# KiCad board helios-panel.kicad_pcb (continued)
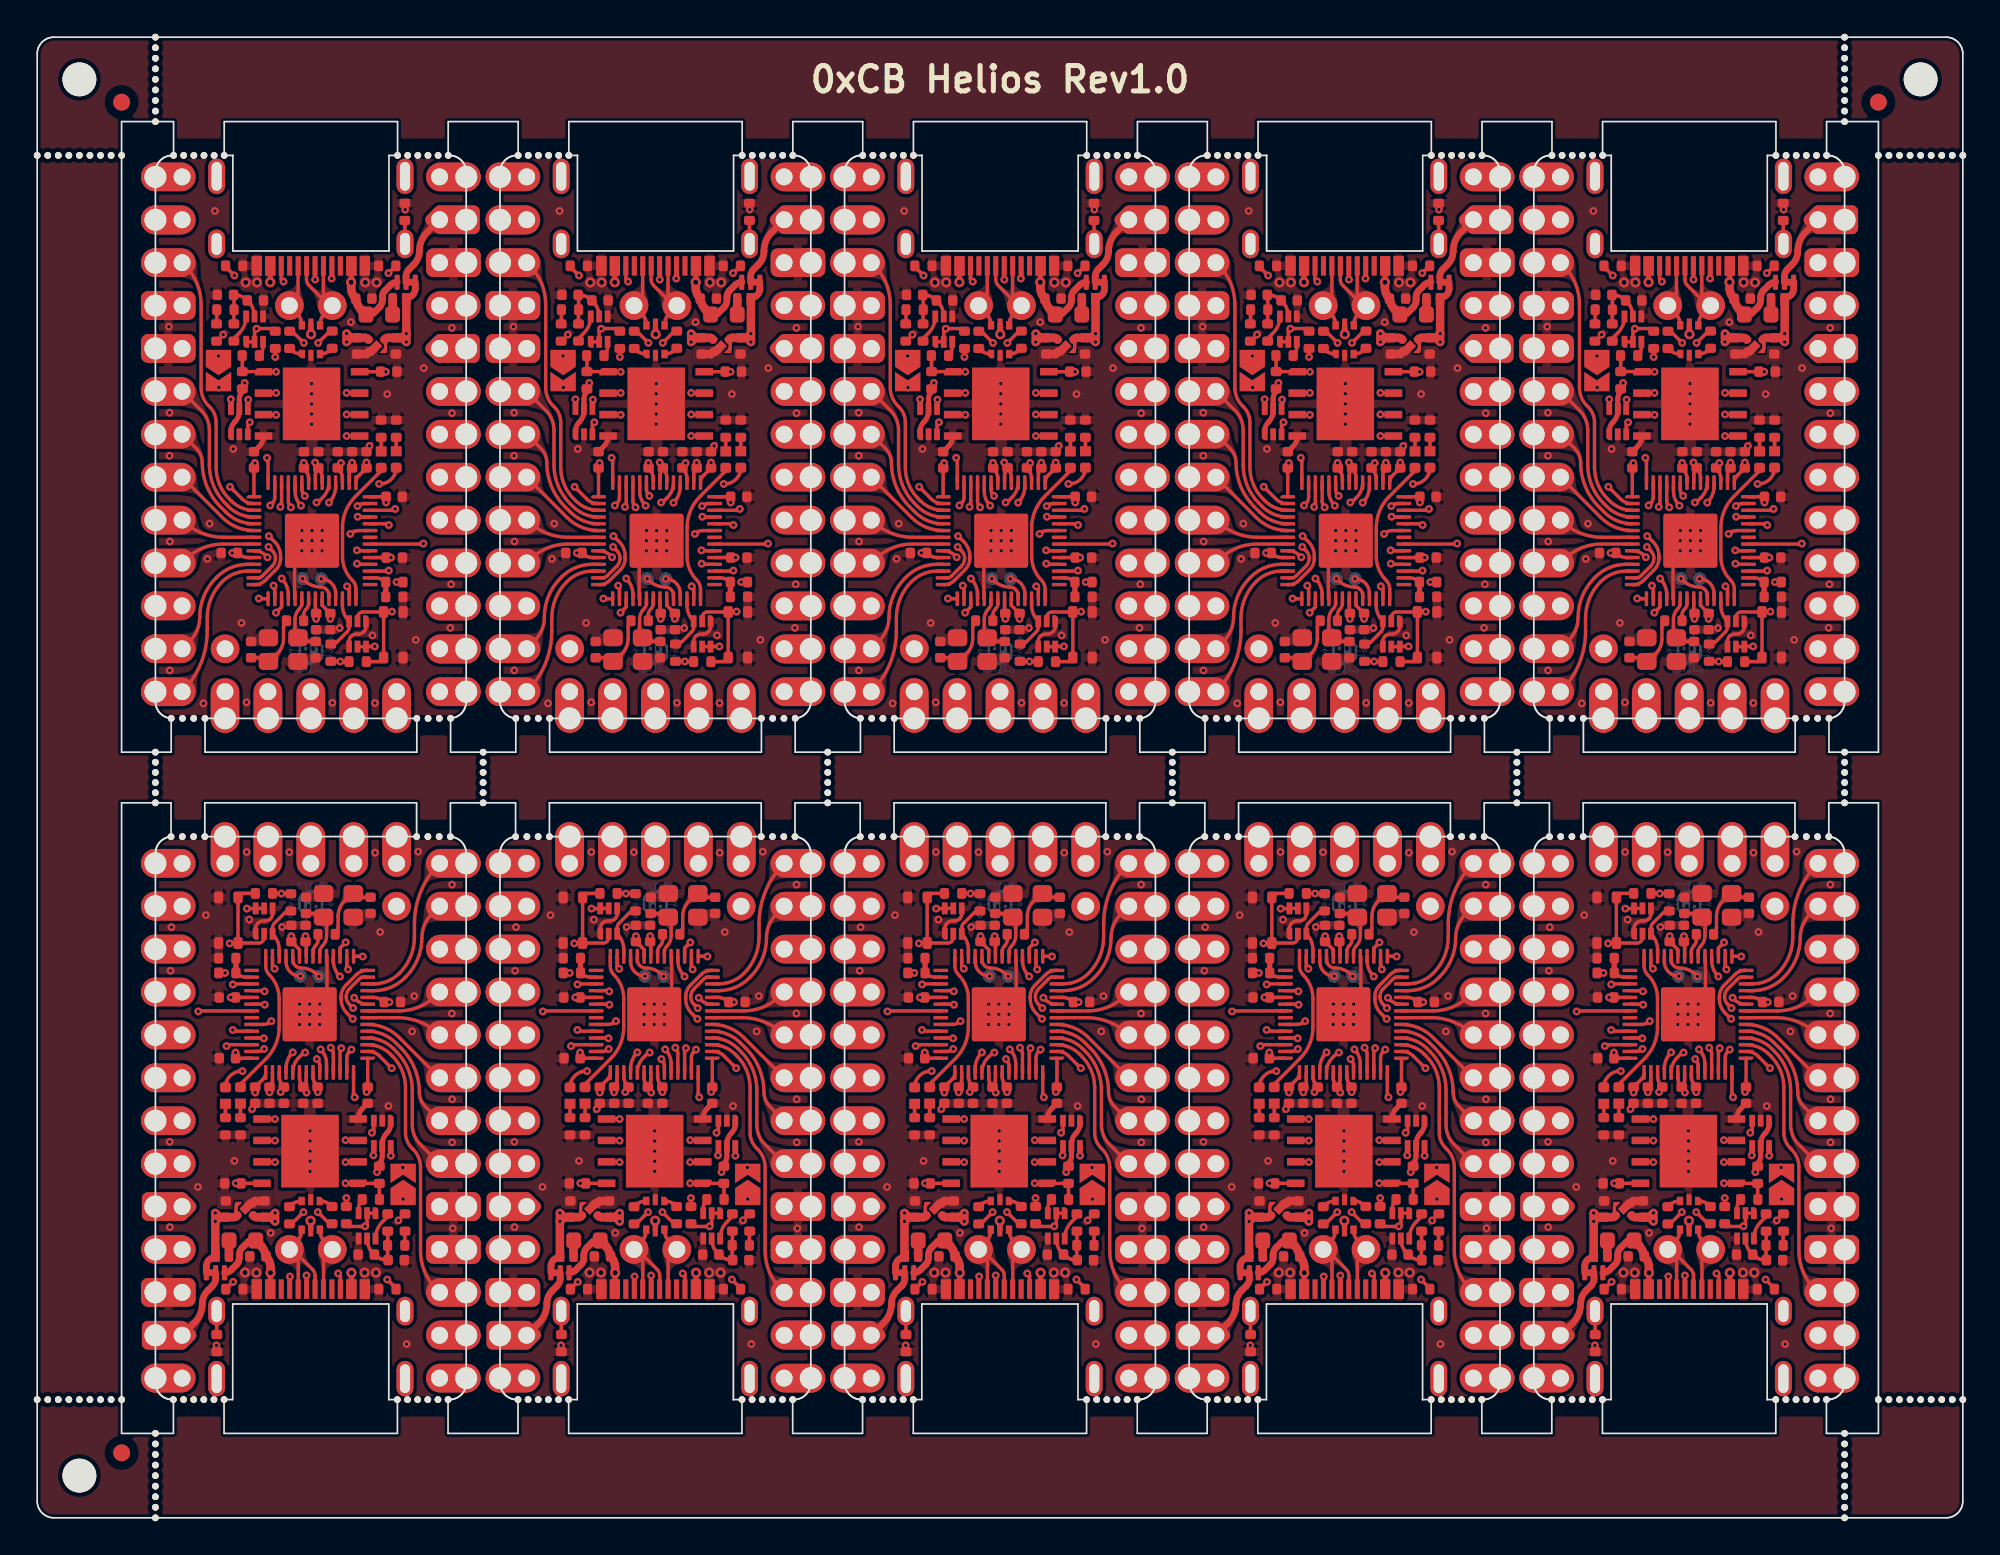
[diagram p0: board, top side]
## Routing (per net, layer and track width the routed paths; a pad name or vN(x,y) marks a point on that pad's centre or on a via; arc(x,y) is an arc through that point) (continued)
Board_3-Net-(D1-K): length 0.8
  Top w0.2: D1#6.1 R10#6.1
Board_3-Net-(D2-K): length 0.8
  Top w0.2: D2#9.1 R15.1
Board_3-Net-(D3-A): length 0.9
  Top w0.5: D3#8.2 82.25,71.24 F1#9.2
Board_3-Net-(J1-CC1): length 4.8
  Top w0.2: v1(78.64,73.37) 78.64,73.38 78.64,74.12 ; v1(82,73.69) 82,73.69 R7#4.2
  In1.Cu w0.2: v1(82,73.69) 81.98,73.67 79.37,73.67 arc(78.97,73.6) v1(78.64,73.37)
Board_3-Net-(J1-CC2): length 4.9
  Top w0.2: 72.36,74.12 72.36,74.07 v1(72.88,73.55) ; v1(75.78,73.19) 75.64,73.33 75.64,74.12
  In1.Cu w0.2: v1(72.88,73.55) 72.91,73.59 arc(73.01,73.65) 73.12,73.67 75.18,73.67 arc(75.29,73.65) 75.39,73.59 v1(75.78,73.19)
Board_3-Net-(J1-SHIELD): length 1.4
  Top w0.2: 82.97,75.42 82.97,76.8 FB1#4.1
Board_3-Net-(Q1A-D): length 26.6
  Top w0.2: Q2#7.1 Q2#7.2 74.07,70.28 v1(74.19,70.4) 74.19,70.41 75.14,70.41 R2#4.2 ; v1(81.19,51.59) 80.67,51.59 Q1#4.6 Q1#4.5
  In2.Cu w0.2: v1(81.19,51.59) 80.79,51.59 arc(78.84,51.98) 77.18,53.08 arc(76.45,54.18) 76.19,55.48 76.19,57.44 arc(76.07,58.02) 75.74,58.52 74.49,59.77 arc(73.84,60.74) 73.61,61.89 73.61,62.87 arc(73.7,63.34) 73.97,63.74 arc(74.19,64.07) 74.27,64.46 74.27,70.32 v1(74.19,70.4)
Board_3-Net-(Q2A-D): length 1.7
  Top w0.2: R4#4.1 72.84,69.82 73.16,70.13 arc(73.46,70.59) Q2#7.6
Board_3-Net-(Q2B-G): length 3.7
  Top w0.2: R4#4.2 72.84,71.51 R5#10.1 72.86,72.37 C1#6.1 72.86,72.4 arc(73.28,72.32) C2#10.1 73.7,72.01 arc(73.97,71.61) Q2#7.5
Board_3-Net-(R5-Pad2): length 0.8
  Top w0.2: R6#9.1 71.83,70.7 R5#10.2
Board_3-Net-(U4-XTAL_IN): length 3.6
  Top w0.2: C7#8.2 76.86,51.88 Y1#8.3 76.61,52.13 arc(76.5,52.29) 76.47,52.48 76.47,53.19 arc(76.53,53.53) 76.72,53.82 arc(76.83,53.98) 76.87,54.17 U4#5.20
Board_3-Net-(U4-XTAL_OUT): length 1.4
  Top w0.2: R14#7.2 76.97,53.44 arc(77.01,53.63) 77.12,53.79 77.12,53.79 arc(77.23,53.96) 77.27,54.15 U4#5.21
Board_3-VBUS: length 32.1
  Top w0.2: v1(82.47,55.4) R16.1
  Top w0.3: v2(79.78,73.15) 79.8,73.16 79.8,74.12 ; v2(75,73.15) 75,74.12
  Top w0.4: F1#9.1 80.91,71.24 arc(81.02,71.26) 81.12,71.33 81.46,71.66 arc(81.59,71.86) 81.64,72.1 81.64,72.29 arc(81.67,72.48) 81.79,72.65 82.12,72.99 arc(82.3,73.11) JP2#5.3
  Top w0.5: v2(79.78,73.15) 79.78,72.83 arc(79.86,72.48) 80.06,72.18 80.08,72.16 80.08,72.15 arc(80.17,71.82) 80.37,71.54 F1#9.1
  In2.Cu w0.2: v1(82.47,55.4) arc(83,56.18) 83.18,57.1 83.18,64.96 arc(82.3,69.39) v2(79.78,73.15)
  In2.Cu w0.5: v2(75,73.15) arc(75.26,73.8) 75.91,74.07 78.87,74.07 arc(79.52,73.8) v2(79.78,73.15)
Board_4-+1V1: length 15.7
  Top w0.2: v1(97.39,62.46) 97.39,62.45 C17#10.1 arc(97.6,61.86) 97.67,61.5 U4#2.50 ; v1(99.58,62.45) 99.39,62.26 C10#3.2 arc(99.6,61.86) 99.67,61.5 U4#2.45 ; U4#2.23 98.47,54.02 98.95,53.54 C19#5.1 v1(98.95,53.22)
  In2.Cu w0.2: v1(97.39,62.46) 98.42,61.42 ; 98.42,61.42 99.07,60.77 arc(99.35,60.36) 99.44,59.87 99.44,54.4 arc(99.32,53.76) v1(98.95,53.22) ; 98.42,61.42 99.45,62.45 v1(99.58,62.45)
Board_4-+3V3: length 21.3
  Top w0.2: 101.28,56.85 C12#8.1 v1(102.55,56.85) ; 101.75,67.85 v1(102.25,67.85) 102.24,67.85 U3#10.8 ; v1(98.06,62.48) 98.25,62.29 C14#4.1 ; U4#2.1 94.43,62.16 C16#9.1 94.44,62.39 v1(94.5,62.45) ; v1(93.14,57.12) C15.1 arc(93.75,56.92) 94.11,56.85 U4#2.10 ; R2#6.1 v1(95.69,68.72) ; R3#3.1 99,50.7 v1(99.55,50.7) 99.56,50.69 R1#3.1 ; v1(101.09,62.48) C18#6.1 100.64,61.71 arc(100.52,61.52) U4#2.43 ; v1(100.25,62.47) C9#3.2 100.13,62.04 arc(100.09,61.98) 100.07,61.9 U4#2.44 ; v1(98.11,53.22) C11#2.1 98.07,53.58 U4#2.22 ; v1(93.89,67.19) 93.89,66.98 R11#5.1 ; 101.28,60.45 C13#9.1 v1(102.25,60.11) ; U4#2.48 98.47,61.62 arc(98.41,61.91) C14#4.1 ; U4#2.49 98.07,61.74 arc(98.12,61.97) C14#4.1
  Top w0.3: R11#5.1 93.75,66.66 93.69,66.61 arc(93.6,66.43) 93.57,66.24 U5#10.5 93.57,65.53 arc(93.5,65.18) 93.3,64.88 93.29,64.87 arc(93.13,64.63) 93.07,64.34 U5#10.1
  Top w0.5: 101.22,69.75 101.17,69.8 arc(101.1,69.84) 101.03,69.86 C5#8.1 100.17,69.86 ; 100.17,69.86 v1(99.92,70.11) v1(99.92,69.61) 100.17,69.86
  vias: v1(92.33,68.79)
Board_4-+5V: length 20.9
  Top w0.2: U2#10.3 102.17,69.1 arc(102.21,69.16) 102.22,69.24 102.22,69.53 arc(102.21,69.61) 102.17,69.67 U2#10.4
  Top w0.3: v2(97.81,70.07) 97.81,70.08 U1#4.5 ; v1(93.06,66.22) 93.07,66.22 U5#10.6
  Top w0.4: JP2#8.1 103.98,72.77 arc(103.83,72.4) 103.45,72.24
  Top w0.5: 103.2,69.86 v1(103.45,70.11) ; 103.2,69.86 v1(103.45,69.61) v1(103.45,70.11) ; 103.2,69.86 C4#10.1 102.34,69.86 arc(102.27,69.84) 102.2,69.8 102.15,69.75 ; v1(103.45,70.11) 103.45,72.24 103.44,72.23 103.44,72.16
  In1.Cu w0.3: v1(103.45,69.61) 103.16,69.32 arc(102.8,69.08) 102.37,68.99 100.2,68.99 arc(99.69,69.09) 99.25,69.38 98.83,69.8 arc(98.52,70.01) 98.15,70.08 97.83,70.08 v2(97.81,70.07) 97.8,70.08 96.59,70.08 arc(95.26,69.82) 94.13,69.06 arc(93.34,67.89) 93.06,66.5 v1(93.06,66.22)
Board_4-/0_TX0: length 18.4
  Top w0.2: U4#2.2 94.38,60.05 arc(94.03,60.12) 93.74,60.32 v1(93.02,61.04)
  In1.Cu w0.2: J2#5.2 90.18,76.28 arc(90.22,76.09) 90.33,75.93 90.36,75.89 arc(91.25,74.56) 91.56,72.98 91.56,63.75 arc(91.75,62.84) 92.26,62.07 92.82,61.51 arc(92.96,61.29) v1(93.02,61.04)
Board_4-/1_RX0: length 16.4
  Top w0.2: J2#5.3 90.36,74.13 arc(91.06,73.08) 91.31,71.85 91.31,66.89 arc(91.42,66.33) 91.74,65.85 91.82,65.76 arc(92.1,65.35) 92.19,64.86 92.19,62.19 arc(92.4,61.18) 92.97,60.33 93.09,60.21 arc(93.7,59.79) U4#2.3
Board_4-/2_SDA1: length 9.4
  Top w0.2: J2#5.6 91.32,65.55 arc(91.67,65.02) 91.8,64.4 91.8,62.33 arc(92.04,61.1) 92.74,60.06 92.92,59.88 arc(93.61,59.41) U4#2.4
Board_4-/3_SCL1: length 7.3
  Top w0.2: J2#5.7 91.02,63.31 arc(91.28,62.92) 91.38,62.45 arc(91.65,61.05) 92.45,59.86 92.77,59.54 arc(93.53,59.03) U4#2.5
Board_4-/4: length 5.4
  Top w0.2: J2#5.8 92.57,59.22 arc(93.42,58.65) U4#2.6
Board_4-/5: length 4.5
  Top w0.2: U4#2.7 92.64,58.05 arc(91.31,58.32) J2#5.9
Board_4-/6: length 4.6
  Top w0.2: U4#2.8 92.59,57.65 arc(91.4,57.41) 90.39,56.74 J2#5.10
Board_4-/7: length 6.9
  Top w0.2: U4#2.9 94.47,57.25 arc(94.83,57.18) 95.13,56.97 v1(95.23,56.87)
  In2.Cu w0.2: v1(95.23,56.87) 93.89,55.53 arc(92.19,54.39) J2#5.11
Board_4-/8: length 7.3
  Top w0.2: U4#2.11 94.05,56.45 arc(93.08,56.26) 92.25,55.71 92.18,55.64 arc(91.47,54.58) 91.22,53.32 arc(91.07,52.56) 90.64,51.91 J2#5.12
Board_4-/9: length 9.2
  Top w0.2: U4#2.12 94.07,56.05 arc(93.25,55.89) 92.56,55.42 arc(91.9,54.43) 91.67,53.27 91.67,52.5 arc(91.28,50.55) J2#5.13
Board_4-/10: length 26.5
  Top w0.2: v1(95.3,57.48) 95.53,57.24 arc(95.66,57.05) 95.71,56.82 arc(95.66,56.56) 95.51,56.34 94.94,55.77 arc(94.81,55.68) 94.66,55.65 U4#2.13
  In2.Cu w0.2: v1(95.3,57.48) 95.26,57.48 91.98,60.76 arc(91.57,61.38) 91.42,62.1 91.42,76.38 arc(91.1,78.01) J2#5.1
Board_4-/11: length 38
  Top w0.2: U4#2.14 94.52,55.25 arc(94.82,55.31) 95.08,55.48 95.73,56.13 arc(95.94,56.44) 96.01,56.8 96.01,56.93 arc(95.92,57.4) 95.65,57.79 95.33,58.12 v1(95.31,58.12)
  In1.Cu w0.2: v1(95.31,58.12) 95.31,58.31 arc(95.22,58.53) 95,58.62 arc(94.14,58.98) 93.79,59.84 93.79,60.07 arc(93.62,60.9) 93.15,61.6 92.49,62.26 arc(92.03,62.96) 91.86,63.78 91.86,72.27 arc(92.42,73.6) 93.75,74.15 103.03,74.15 arc(103.86,74.49) 104.2,75.33 104.2,76.46 arc(104.52,78.04) J2#5.31
Board_4-/12: length 6.6
  Top w0.2: v1(94.72,54.42) 94.73,54.41 U4#2.15
  In1.Cu w0.2: v1(94.72,54.42) 94.72,53.74 arc(94.2,51.13) J2#5.14
Board_4-/13: length 7.2
  Top w0.2: U4#2.16 95.67,55.11 v1(95.59,55.19)
  In1.Cu w0.2: J2#5.15 95.26,54.38 arc(95.35,54.82) v1(95.59,55.19)
Board_4-/14: length 6.2
  Top w0.2: v1(95.73,53.59) 96.07,53.92 U4#2.17
  In1.Cu w0.2: J2#5.16 97.58,49.13 arc(96.22,51.17) v1(95.73,53.59)
Board_4-/15: length 9.5
  Top w0.2: U4#2.18 96.47,54.66 arc(96.37,55.17) v1(96.08,55.61)
  In1.Cu w0.2: J2#5.17 97.8,51.45 arc(96.97,52.7) 96.67,54.16 arc(96.52,54.95) v1(96.08,55.61)
Board_4-/16: length 7.9
  Top w0.2: U4#2.27 100.07,55.02 v1(99.94,55.15)
  In1.Cu w0.2: J2#5.18 102.28,49.51 arc(100.55,52.1) v1(99.94,55.15)
Board_4-/20_SDI: length 4.9
  Top w0.2: v1(102.42,56.08) 102.39,56.05 U4#2.31
  In1.Cu w0.2: J2#5.21 103.98,55.43 arc(103.26,55.91) v1(102.42,56.08)
Board_4-/21_CS: length 10.1
  Top w0.2: v1(100.53,56.49) 100.58,56.45 U4#2.32
  In1.Cu w0.2: J2#5.19 102.52,51.81 arc(101.22,53.64) 100.59,55.78 100.59,56.44 v1(100.53,56.49)
Board_4-/22_SCK: length 5.9
  Top w0.2: U4#2.34 100.56,57.25 v1(100.53,57.28)
  In1.Cu w0.2: v1(100.53,57.28) 100.57,57.32 103.5,57.32 arc(104.54,57.12) J2#5.22
Board_4-/23_SDO: length 9.8
  Top w0.2: U4#2.35 104.44,57.65 v1(104.47,57.68)
  In2.Cu w0.2: v1(104.47,57.68) 104.33,57.55 104.33,53.83 arc(104.57,52.63) 105.25,51.62 J2#5.20
Board_4-/A0: length 4.2
  Top w0.2: U4#2.38 102.34,58.85 v1(102.42,58.77)
  In1.Cu w0.2: v1(102.42,58.77) 104.71,58.77 arc(105.09,58.85) J2#5.23
Board_4-/A1: length 6.5
  Top w0.2: v1(100.58,59.27) 100.59,59.25 U4#2.39
  In1.Cu w0.2: J2#5.24 103.32,59.51 arc(103.03,59.32) 102.69,59.25 100.6,59.25 v1(100.58,59.27)
Board_4-/A2: length 6.8
  Top w0.2: U4#2.40 102.72,59.65 v1(102.8,59.73)
  In1.Cu w0.2: J2#5.25 104.06,62.79 arc(103.12,61.39) v1(102.8,59.73)
Board_4-/A3: length 9.7
  Top w0.2: v1(100.56,59.9) 100.57,59.9 arc(100.73,60.01) 100.92,60.05 U4#2.41
  In1.Cu w0.2: J2#5.26 103.6,64.87 arc(102.91,63.83) 102.67,62.61 102.67,62.11 arc(102.5,61.26) 102.01,60.54 101.95,60.47 arc(101.31,60.05) v1(100.56,59.9)
Board_4-/BOOT: length 0.9
  Top w0.2: Q2#8.3 94.97,69.33 arc(94.91,69.05) R9#8.2
Board_4-/D+: length 12.7
  Top w0.2: v1(97.39,69.56) 96.69,70.25 R12#6.2 ; v1(98.14,60.11) 98.21,60.11 98.5,60.4 arc(98.77,60.81) U4#2.47
  In1.Cu w0.2: v1(97.39,69.56) 98.01,68.93 arc(98.49,68.21) 98.66,67.37 98.66,66.51 98.66,62.62 arc(98.62,62.43) 98.51,62.27 98.42,62.17 arc(98.31,62.01) 98.27,61.82 98.27,60.25 v1(98.14,60.11)
Board_4-/D-: length 12.7
  Top w0.2: v1(98.23,69.56) 98.94,70.26 R13.2 ; U4#2.46 99.27,61.07 arc(99.17,60.54) v1(98.87,60.1)
  In1.Cu w0.2: v1(98.23,69.56) 98.23,69.55 arc(98.27,69.36) 98.38,69.2 arc(98.92,68.39) 99.11,67.44 99.11,66.13 arc(99.14,66.06) 99.2,66.04 arc(99.26,66.01) 99.29,65.95 99.29,65.83 arc(99.26,65.76) 99.2,65.74 99.11,65.74 99.11,65.73 99.05,65.73 arc(99,65.71) 98.98,65.66 98.98,65.49 arc(99,65.44) 99.05,65.43 arc(99.09,65.41) 99.11,65.36 99.11,62.44 arc(99.07,62.25) 98.96,62.08 98.87,61.99 arc(98.76,61.83) 98.72,61.63 98.72,60.45 arc(98.76,60.26) 98.87,60.1 v1(98.87,60.1)
Board_4-/LED: length 8.8
  Top w0.2: D2#8.2 101.97,61.99 100.44,60.47 arc(99.87,59.62) 99.67,58.62 99.67,56.92 arc(99.83,56.15) 100.26,55.5 arc(100.42,55.27) 100.47,55 U4#2.28
Board_4-/PORT+: length 7.1
  Top w0.2: 98.05,74.12 98.05,73.32 v1(98.06,73.31) ; U1#4.6 97.27,70.62 arc(97.19,71) 96.97,71.33 J2#5.34 97.05,72.28 97.05,74.12
  In1.Cu w0.2: J2#5.34 96.69,71.77 98.06,73.13 v1(98.06,73.31)
Board_4-/PORT-: length 7.1
  Top w0.2: J2#5.33 98.64,71.34 arc(98.42,71.01) 98.34,70.63 U1#4.4 ; J2#5.33 98.55,72.29 98.55,74.12 ; J2#5.33 98.89,71.77 97.69,72.96 arc(97.58,73.13) 97.55,73.32 97.55,74.12
Board_4-/QSPI_CLK: length 11.3
  Top w0.2: U4#2.52 96.87,60.77 arc(96.96,60.31) v1(97.22,59.92) ; v1(99.92,65.32) 99.93,65.31 U3#10.6
  In2.Cu w0.2: v1(97.22,59.92) 97.22,60.02 arc(96.76,60.72) 96.59,61.53 96.59,62.81 arc(96.77,63.23) 97.19,63.4 99.89,63.4 arc(100.25,63.55) 100.39,63.9 100.39,64.18 arc(100.27,64.8) v1(99.92,65.32)
Board_4-/QSPI_CS: length 9.8
  Top w0.2: v1(95.2,62.76) 95.27,62.69 95.27,61.31 ; R9#8.1 93.75,68.8 R11#5.2 95,67.86 U3#10.1 95.74,67.85 v1(95.75,67.85)
  In2.Cu w0.2: v1(95.2,62.76) arc(95.03,63.02) 94.97,63.32 94.97,65.98 arc(95.17,66.99) v1(95.75,67.85)
Board_4-/QSPI_SD0: length 11.3
  Top w0.2: v1(96.62,59.82) 96.62,59.83 arc(96.51,59.99) 96.47,60.18 U4#2.53 ; v1(99.92,64.05) 99.92,64.04 U3#10.5
  In2.Cu w0.2: v1(96.62,59.82) 96.62,59.9 arc(96.38,60.26) 96.3,60.68 96.3,62.86 arc(96.54,63.45) 97.13,63.7 97.97,63.7 arc(98.07,63.74) 98.11,63.85 98.11,64.1 arc(98.16,64.21) 98.27,64.25 arc(98.37,64.21) 98.42,64.1 98.42,63.85 arc(98.46,63.74) 98.56,63.7 arc(98.67,63.74) 98.72,63.85 98.72,64.1 arc(98.76,64.21) 98.86,64.25 arc(98.97,64.21) 99.02,64.1 99.02,63.85 arc(99.06,63.74) 99.17,63.7 arc(99.54,63.77) 99.86,63.99 v1(99.92,64.05)
Board_4-/QSPI_SD1: length 11.4
  Top w0.2: v1(95.39,59.94) 95.52,60.06 arc(95.63,60.23) 95.67,60.42 U4#2.55 ; U3#10.2 95.73,66.58 v1(95.75,66.6)
  In2.Cu w0.2: v1(95.39,59.94) 95.56,60.1 arc(95.66,60.25) 95.69,60.42 arc(95.65,60.53) 95.55,60.57 95.44,60.57 arc(95.34,60.61) 95.3,60.72 arc(95.34,60.83) 95.44,60.87 95.55,60.87 arc(95.65,60.91) 95.69,61.02 arc(95.65,61.13) 95.55,61.17 95.44,61.17 arc(95.34,61.21) 95.3,61.32 arc(95.34,61.43) 95.44,61.47 95.55,61.47 arc(95.65,61.51) 95.69,61.62 arc(95.65,61.73) 95.55,61.77 95.44,61.77 arc(95.34,61.81) 95.3,61.92 arc(95.34,62.03) 95.44,62.07 95.55,62.07 arc(95.65,62.11) 95.69,62.22 95.69,62.78 arc(95.66,62.97) 95.55,63.13 95.42,63.26 arc(95.31,63.43) 95.27,63.62 95.27,63.96 arc(95.31,64.06) 95.42,64.11 95.52,64.11 arc(95.63,64.15) 95.67,64.26 arc(95.63,64.36) 95.52,64.41 95.42,64.41 arc(95.31,64.45) 95.27,64.56 95.27,65.46 arc(95.39,66.07) v1(95.75,66.6)
Board_4-/QSPI_SD2: length 11.3
  Top w0.2: v1(96,59.85) 96.07,59.92 U4#2.54 ; v1(95.75,65.3) 95.73,65.31 U3#10.3
  In2.Cu w0.2: v1(96,59.85) 96,63.85 arc(96.04,63.96) 96.14,64 96.84,64 arc(96.95,64.04) 97,64.15 arc(96.95,64.26) 96.84,64.3 96.14,64.3 arc(96.04,64.34) 96,64.45 arc(96.04,64.56) 96.14,64.6 96.84,64.6 arc(96.95,64.64) 97,64.75 arc(96.95,64.86) 96.84,64.9 96.14,64.9 arc(96.04,64.94) 96,65.05 v1(95.75,65.3)
Board_4-/QSPI_SD3: length 11.4
  Top w0.2: v1(99.92,66.6) 99.94,66.58 U3#10.7 ; v1(97.44,60.5) 97.42,60.53 arc(97.31,60.69) 97.27,60.88 U4#2.51
  In2.Cu w0.2: v1(97.44,60.5) arc(97.04,61.11) 96.9,61.82 96.9,62.75 arc(96.99,62.98) 97.23,63.08 99.91,63.08 arc(100.49,63.32) 100.73,63.9 100.73,64.63 arc(100.52,65.7) v1(99.92,66.6)
Board_4-/RAW: length 4.4
  Top w0.4: JP2#8.2 103.44,73.48 arc(103.48,73.72) 103.62,73.92 103.9,74.21 arc(104.14,74.56) 104.22,74.98 arc(104.35,75.6) 104.7,76.13 J2#5.30
Board_4-/RESET: length 25.2
  Top w0.2: SW1#10.2 SW1#10.2 101.87,50.69 101.08,50.69 ; SW1#10.2 100.88,53.63 arc(100.66,53.54) 100.56,53.31 Q1#3.2 ; SW1#10.2 102.58,53.63 v1(102.61,53.65)
  In2.Cu w0.2: v1(102.61,53.65) arc(103.55,55.06) 103.88,56.73 103.88,68.05 arc(104.28,70.06) J2#5.28
Board_4-/RGB_5V: length 17.5
  Top w0.2: U5#10.4 94.07,66.17 v1(94.09,66.2)
  In2.Cu w0.2: v1(94.09,66.2) arc(93.81,65.77) 93.71,65.27 93.71,61.78 arc(93.94,60.62) 94.6,59.64 95.87,58.37 arc(96.18,57.9) 96.29,57.35 arc(96.17,56.74) 95.82,56.22 93.91,54.32 arc(93.03,53) J2#5.32
Board_4-/RGB_DO: length 15.4
  Top w0.2: U4#2.37 100.62,58.45 arc(100.36,58.4) v1(100.14,58.25) ; U5#10.3 94.07,64.75 v1(94.19,64.86)
  In1.Cu w0.2: v1(94.19,64.86) 93.39,64.86 arc(92.74,64.59) 92.47,63.93 arc(92.61,63.2) 93.03,62.58 93.8,61.8 arc(94.24,61.15) 94.39,60.38 94.39,59.87 arc(94.58,59.41) 95.03,59.22 98.51,59.22 arc(99.11,59.1) 99.62,58.76 v1(100.14,58.25)
Board_4-/RST: length 3.3
  Top w0.2: U4#2.26 99.67,54.03 arc(99.77,53.52) Q1#3.3 100.06,52.74 arc(100.03,52.58) 99.95,52.45 99.34,51.85 arc(99.21,51.76) 99.06,51.73 R3#3.2
Board_4-/SWD_CLK: length 2.2
  Top w0.2: v1(97.31,55.6) 97.41,55.51 arc(97.85,55.21) 98.37,55.11 arc(98.72,54.96) 98.87,54.61 U4#2.24
Board_4-/SWD_IO: length 1.7
  Top w0.2: U4#2.25 99.27,54.74 arc(99.02,55.34) v1(98.42,55.59)
Board_4-/USB+: length 0.8
  Top w0.2: R12#6.1 96.6,69.18 arc(96.9,68.97) U1#4.1
Board_4-/USB-: length 0.8
  Top w0.2: R13.1 99,69.17 arc(98.7,68.97) U1#4.3
Board_4-GND: length 8.2
  Top w0.2: Q1#3.4 100.06,51.9 arc(100.1,52.06) 100.18,52.19 100.2,52.2 arc(100.33,52.29) 100.48,52.32 100.63,52.32 arc(100.78,52.35) 100.91,52.44 100.95,52.47 arc(101.03,52.6) 101.06,52.76 Q1#3.1 ; v1(97.87,57.85) 96.84,56.82 96.84,54.44 U4#2.19
  Top w0.3: C16#9.2 94.75,63.43 arc(94.93,63.71) U3#10.4
  Top w0.5: C5#8.2 101.1,68.9 U2#10.2 101.36,69.05 101.51,69.2
  vias: v1(89.39,70.52) v1(89.44,65.43) v1(89.44,62.88) v1(89.44,50.17) v1(89.45,57.8) v1(91.44,48.22) v1(91.67,56.77) v1(91.81,58.86) v1(92.12,77.37) v1(92.61,70.05) v1(93.2,63.28) v1(93.69,52.98) v1(94,48.28) v1(97.28,58.45) v1(97.27,57.85) v1(97.27,57.25) v1(97.84,67.15) v1(97.84,66.55) v1(97.84,65.95) v1(97.84,65.35) v1(97.84,64.75) v1(97.87,58.45) v1(97.87,57.25) v1(98.47,58.45) v1(98.47,57.85) v1(98.47,57.25) v1(99.08,48.25) v1(99.5,52.68) v1(100.17,70.79) v1(101.28,63.46) v1(101.44,52.24) v1(101.59,48.24) v1(102.33,66.53) v1(103.39,77.45) v1(104.02,51.98) v1(104.48,68.07) v1(106.14,70.45) v1(106.11,55.27) v1(106.06,52.69) v1(106.16,65.4) v2(93.94,73.14) v2(94.61,73.14) v2(101.03,73.14) v2(101.69,73.14)
Board_4-Net-(C8-Pad2): length 3.9
  Top w0.2: 96.36,53.11 96.33,53.09 arc(96.22,52.92) 96.19,52.73 96.19,52.06 arc(96.09,51.56) 95.81,51.14 95.36,50.7 Y1#9.1 95.07,50.92 C8#9.2
Board_4-Net-(D1-A): length 22.4
  Top w0.2: v1(101.84,61.21) 101.89,61.21 arc(102.57,61.49) D1#7.2 ; JP1#9.2 92.36,67.17 v1(92.36,66.92)
  In1.Cu w0.2: v1(101.84,61.21) 100.74,61.21 arc(100.27,61.12) 99.88,60.85 arc(99.66,60.53) 99.58,60.15 arc(99.7,59.57) 100.03,59.08 100.48,58.63 arc(100.62,58.27) 100.48,57.92 100.46,57.9 arc(100.11,57.76) 99.75,57.9 98.93,58.73 arc(98.71,58.87) 98.46,58.92 95.01,58.92 arc(94.36,59.2) 94.09,59.85 94.09,60.24 arc(93.93,61.03) 93.48,61.7 92.73,62.45 arc(92.31,63.08) 92.17,63.82 92.17,66.49 arc(92.21,66.72) 92.34,66.92 v1(92.36,66.92)
Board_4-Net-(D1-K): length 0.8
  Top w0.2: D1#7.1 R10#7.1
Board_4-Net-(D2-K): length 0.8
  Top w0.2: D2#8.1 R15#2.1
Board_4-Net-(D3-A): length 0.9
  Top w0.5: D3.2 102.64,71.24 F1#10.2
Board_4-Net-(J1-CC1): length 4.8
  Top w0.2: v1(99.03,73.37) 99.05,73.38 99.05,74.12 ; v1(102.39,73.69) 102.41,73.69 R7#6.2
  In1.Cu w0.2: v1(102.39,73.69) 102.38,73.67 99.77,73.67 arc(99.37,73.6) v1(99.03,73.37)
Board_4-Net-(J1-CC2): length 4.9
  Top w0.2: R8#6.2 92.75,74.07 v1(93.28,73.55) ; v1(96.19,73.19) 96.05,73.33 96.05,74.12
  In1.Cu w0.2: v1(93.28,73.55) 93.31,73.59 arc(93.41,73.65) 93.52,73.67 95.58,73.67 arc(95.69,73.65) 95.79,73.59 v1(96.19,73.19)
Board_4-Net-(J1-SHIELD): length 1.4
  Top w0.2: 103.37,75.42 103.37,76.8 FB1#5.1
Board_4-Net-(Q1A-D): length 26.6
  Top w0.2: Q2#8.1 Q2#8.2 94.47,70.28 v1(94.58,70.4) 94.59,70.41 95.53,70.41 R2#6.2 ; v1(101.58,51.59) 101.08,51.59 Q1#3.6 Q1#3.5
  In2.Cu w0.2: v1(101.58,51.59) 101.19,51.59 arc(99.24,51.98) 97.58,53.08 arc(96.85,54.18) 96.59,55.48 96.59,57.44 arc(96.47,58.02) 96.14,58.52 94.89,59.77 arc(94.24,60.74) 94.01,61.89 94.01,62.87 arc(94.1,63.34) 94.37,63.74 arc(94.59,64.07) 94.67,64.46 94.67,70.32 v1(94.58,70.4)
Board_4-Net-(Q2A-D): length 1.7
  Top w0.2: R4#5.1 93.25,69.82 93.56,70.13 arc(93.86,70.59) Q2#8.6
Board_4-Net-(Q2B-G): length 3.7
  Top w0.2: R4#5.2 93.25,71.51 R5#3.1 93.25,72.37 93.22,72.4 93.26,72.4 arc(93.68,72.32) C2.1 94.1,72.01 arc(94.37,71.61) Q2#8.5
Board_4-Net-(R5-Pad2): length 0.8
  Top w0.2: R6#10.1 92.23,70.7 R5#3.2
Board_4-Net-(U4-XTAL_IN): length 3.6
  Top w0.2: C7#10.2 97.26,51.88 Y1#9.3 97.01,52.13 arc(96.9,52.29) 96.86,52.48 96.86,53.19 arc(96.93,53.53) 97.12,53.82 arc(97.23,53.98) 97.27,54.17 U4#2.20
Board_4-Net-(U4-XTAL_OUT): length 1.4
  Top w0.2: R14#9.2 97.38,53.44 arc(97.41,53.63) 97.52,53.79 97.52,53.79 arc(97.63,53.96) 97.67,54.15 U4#2.21
Board_4-VBUS: length 32.1
  Top w0.2: v1(102.88,55.4) R16#2.1
  Top w0.3: v2(100.19,73.15) 100.19,73.16 100.19,74.12 ; v2(95.39,73.15) 95.39,74.12
  Top w0.4: F1#10.1 101.31,71.24 arc(101.42,71.26) 101.52,71.33 101.86,71.66 arc(101.99,71.86) 102.03,72.1 102.03,72.29 arc(102.07,72.48) 102.19,72.65 102.52,72.99 arc(102.7,73.11) JP2#8.3
  Top w0.5: v2(100.19,73.15) 100.19,72.83 arc(100.26,72.48) C3#10.1 100.48,72.16 100.48,72.15 arc(100.57,71.82) 100.77,71.54 F1#10.1
  In2.Cu w0.2: v1(102.88,55.4) arc(103.4,56.18) 103.58,57.1 103.58,64.96 arc(102.7,69.39) v2(100.19,73.15)
  In2.Cu w0.5: v2(95.39,73.15) arc(95.66,73.8) 96.31,74.07 99.27,74.07 arc(99.92,73.8) v2(100.19,73.15)
Board_5-+1V1: length 15.7
  Top w0.2: v1(16.62,25.2) 16.6,25.21 C17#5.1 arc(16.4,25.8) 16.33,26.16 U4#6.50 ; v1(14.41,25.21) 14.61,25.4 C10.2 arc(14.4,25.8) 14.33,26.16 U4#6.45 ; U4#6.23 15.53,33.64 15.05,34.12 C19#7.1 v1(15.05,34.44)
  In2.Cu w0.2: v1(16.62,25.2) 15.58,26.24 ; 15.58,26.24 14.93,26.89 arc(14.65,27.3) 14.55,27.79 14.55,33.26 arc(14.68,33.9) v1(15.05,34.44) ; 15.58,26.24 14.55,25.21 v1(14.41,25.21)
Board_5-+3V3: length 21.3
  Top w0.2: 12.72,30.81 C12#9.1 v1(11.45,30.81) ; 12.25,19.81 v1(11.75,19.81) 11.76,19.8 U3.8 ; v1(15.95,25.18) 15.76,25.37 C14#5.1 ; U4#6.1 19.57,25.5 C16#10.1 19.56,25.27 v1(19.51,25.21) ; v1(20.85,30.53) C15#4.1 arc(20.25,30.74) 19.89,30.81 U4#6.10 ; R2#7.1 v1(18.3,18.94) ; R3#5.1 15.01,36.96 v1(14.45,36.96) 14.45,36.97 R1#4.1 ; v1(12.91,25.18) C18#3.1 13.36,25.95 arc(13.48,26.14) U4#6.43 ; v1(13.75,25.19) C9#4.2 13.87,25.62 arc(13.91,25.68) 13.93,25.76 U4#6.44 ; v1(15.88,34.44) C11#8.1 15.93,34.08 U4#6.22 ; v1(20.12,20.47) 20.12,20.68 R11#6.1 ; 12.72,27.21 C13#10.1 v1(11.75,27.55) ; U4#6.48 15.53,26.04 arc(15.59,25.75) C14#5.1 ; U4#6.49 15.93,25.92 arc(15.88,25.69) C14#5.1
  Top w0.3: R11#6.1 20.26,21 20.31,21.05 arc(20.4,21.23) 20.43,21.42 U5#7.5 20.43,22.13 arc(20.5,22.48) 20.7,22.78 20.71,22.79 arc(20.87,23.03) 20.93,23.32 U5#7.1
  Top w0.5: 12.78,17.91 12.83,17.86 arc(12.9,17.82) 12.97,17.8 C5#10.1 13.84,17.8 ; 13.84,17.8 v1(14.09,17.55) v1(14.09,18.05) 13.84,17.8
  vias: v1(21.66,18.87)
Board_5-+5V: length 20.9
  Top w0.2: U2#9.3 11.83,18.56 arc(11.79,18.5) 11.78,18.42 11.78,18.13 arc(11.79,18.05) 11.83,17.99 U2#9.4
  Top w0.3: v2(16.19,17.59) 16.2,17.58 U1#6.5 ; v1(20.94,21.44) 20.93,21.44 U5#7.6
  Top w0.4: JP2#2.1 10.02,14.89 arc(10.17,15.26) 10.55,15.42
  Top w0.5: 10.8,17.8 v1(10.55,17.55) ; 10.8,17.8 v1(10.55,18.05) v1(10.55,17.55) ; 10.8,17.8 C4.1 11.66,17.8 arc(11.73,17.82) 11.8,17.86 11.85,17.91 ; v1(10.55,17.55) 10.55,15.42 10.55,15.43 D3#3.1
  In1.Cu w0.3: v1(10.55,18.05) 10.84,18.34 arc(11.2,18.58) 11.63,18.67 13.8,18.67 arc(14.31,18.57) 14.75,18.28 15.17,17.86 arc(15.48,17.65) 15.85,17.58 16.17,17.58 v2(16.19,17.59) 16.2,17.58 17.41,17.58 arc(18.74,17.84) 19.87,18.6 arc(20.66,19.77) 20.94,21.16 v1(20.94,21.44)
Board_5-/0_TX0: length 18.4
  Top w0.2: U4#6.2 19.62,27.61 arc(19.97,27.54) 20.26,27.34 v1(20.98,26.62)
  In1.Cu w0.2: J2#9.2 23.82,11.38 arc(23.78,11.57) 23.67,11.73 23.64,11.77 arc(22.75,13.1) 22.44,14.68 22.44,23.91 arc(22.25,24.82) 21.74,25.59 21.18,26.15 arc(21.04,26.37) v1(20.98,26.62)
Board_5-/1_RX0: length 16.4
  Top w0.2: J2#9.3 23.64,13.53 arc(22.94,14.58) 22.7,15.81 22.7,20.77 arc(22.58,21.33) 22.26,21.81 22.18,21.9 arc(21.9,22.31) 21.8,22.8 21.8,25.47 arc(21.6,26.48) 21.03,27.33 20.91,27.45 arc(20.3,27.87) U4#6.3
Board_5-/2_SDA1: length 9.4
  Top w0.2: J2#9.6 22.68,22.11 arc(22.33,22.64) 22.2,23.26 22.2,25.33 arc(21.96,26.56) 21.26,27.6 21.08,27.78 arc(20.39,28.25) U4#6.4
Board_5-/3_SCL1: length 7.3
  Top w0.2: J2#9.7 22.98,24.35 arc(22.72,24.74) 22.62,25.21 arc(22.35,26.61) 21.55,27.8 21.23,28.12 arc(20.47,28.63) U4#6.5
Board_5-/4: length 5.4
  Top w0.2: J2#9.8 21.43,28.44 arc(20.58,29.01) U4#6.6
Board_5-/5: length 4.5
  Top w0.2: U4#6.7 21.36,29.61 arc(22.69,29.34) J2#9.9
Board_5-/6: length 4.6
  Top w0.2: U4#6.8 21.41,30.01 arc(22.6,30.25) 23.61,30.92 J2#9.10
Board_5-/7: length 6.9
  Top w0.2: U4#6.9 19.53,30.41 arc(19.17,30.48) 18.87,30.69 v1(18.77,30.79)
  In2.Cu w0.2: v1(18.77,30.79) 20.11,32.13 arc(21.81,33.27) J2#9.11
Board_5-/8: length 7.3
  Top w0.2: U4#6.11 19.95,31.21 arc(20.92,31.4) 21.75,31.95 21.82,32.02 arc(22.53,33.08) 22.77,34.34 arc(22.93,35.1) 23.36,35.75 J2#9.12
Board_5-/9: length 9.2
  Top w0.2: U4#6.12 19.93,31.61 arc(20.75,31.77) 21.44,32.24 arc(22.1,33.23) 22.34,34.39 22.34,35.16 arc(22.72,37.11) J2#9.13
Board_5-/10: length 26.5
  Top w0.2: v1(18.7,30.18) 18.47,30.42 arc(18.34,30.61) 18.29,30.84 arc(18.34,31.1) 18.49,31.32 19.06,31.89 arc(19.19,31.98) 19.34,32.01 U4#6.13
  In2.Cu w0.2: v1(18.7,30.18) 18.74,30.18 22.02,26.9 arc(22.43,26.28) 22.58,25.56 22.58,11.28 arc(22.9,9.65) J2#9.1
Board_5-/11: length 38
  Top w0.2: U4#6.14 19.48,32.41 arc(19.18,32.35) 18.92,32.18 18.27,31.53 arc(18.06,31.22) 17.99,30.86 17.99,30.73 arc(18.08,30.26) 18.35,29.87 18.67,29.54 v1(18.69,29.54)
  In1.Cu w0.2: v1(18.69,29.54) 18.69,29.35 arc(18.78,29.13) 19,29.04 arc(19.86,28.68) 20.21,27.82 20.21,27.59 arc(20.38,26.76) 20.85,26.06 21.51,25.4 arc(21.97,24.7) 22.13,23.88 22.13,15.39 arc(21.58,14.06) 20.25,13.51 10.97,13.51 arc(10.14,13.17) 9.8,12.33 9.8,11.2 arc(9.48,9.62) J2#9.31
Board_5-/12: length 6.6
  Top w0.2: v1(19.28,33.23) 19.27,33.25 U4#6.15
  In1.Cu w0.2: v1(19.28,33.23) 19.28,33.92 arc(19.8,36.53) J2#9.14
Board_5-/13: length 7.2
  Top w0.2: U4#6.16 18.33,32.55 v1(18.41,32.47)
  In1.Cu w0.2: J2#9.15 18.74,33.28 arc(18.65,32.84) v1(18.41,32.47)
Board_5-/14: length 6.2
  Top w0.2: v1(18.27,34.07) 17.93,33.73 U4#6.17
  In1.Cu w0.2: J2#9.16 16.42,38.53 arc(17.78,36.49) v1(18.27,34.07)
Board_5-/15: length 9.5
  Top w0.2: U4#6.18 17.53,33 arc(17.63,32.49) v1(17.92,32.05)
  In1.Cu w0.2: J2#9.17 16.2,36.21 arc(17.03,34.96) 17.33,33.5 arc(17.48,32.71) v1(17.92,32.05)
Board_5-/16: length 7.9
  Top w0.2: U4#6.27 13.93,32.63 v1(14.05,32.51)
  In1.Cu w0.2: J2#9.18 11.72,38.15 arc(13.45,35.56) v1(14.05,32.51)
Board_5-/20_SDI: length 4.9
  Top w0.2: v1(11.59,31.58) 11.61,31.61 U4#6.31
  In1.Cu w0.2: J2#9.21 10.02,32.23 arc(10.74,31.75) v1(11.59,31.58)
Board_5-/21_CS: length 10.1